# Altium PCB TinyPC.PcbDoc (part 1 of 2)
Units mm, origin at the board's own origin, x right, y up, seen from the top; angles counter-clockwise.
Board outline 65 x 27.9 mm, 6 copper layers (Top Layer, Mid-Layer 2, Mid-Layer 4, Int1 (GND), Int2 (PWR), Bottom Layer), stack 2.081 mm thick; 113 components, 114 nets, 577 pads, 293 vias.
Unrouted connection lines stored in the file: 437.
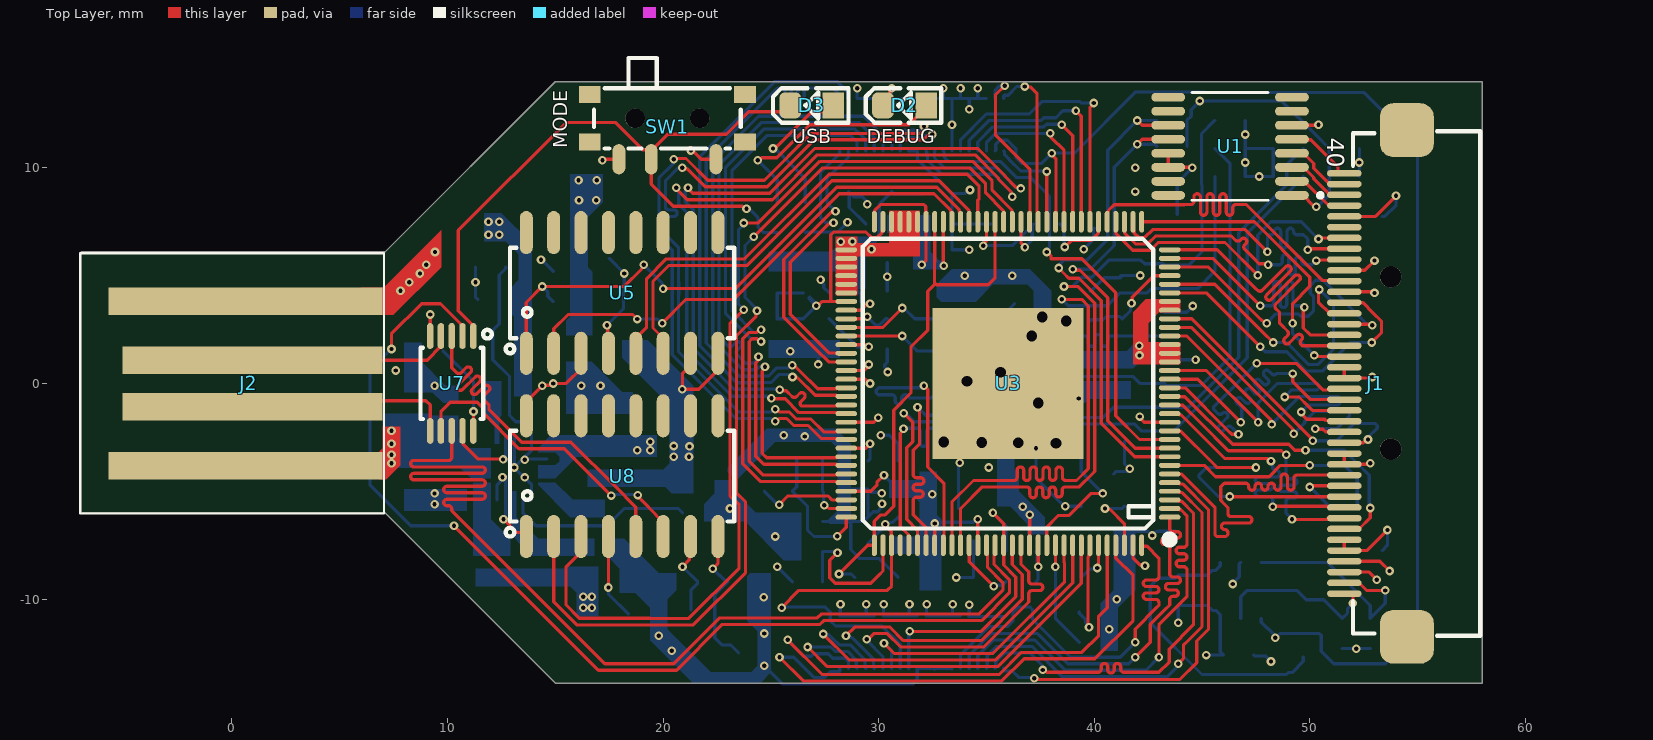
[diagram p0: Top Layer view]
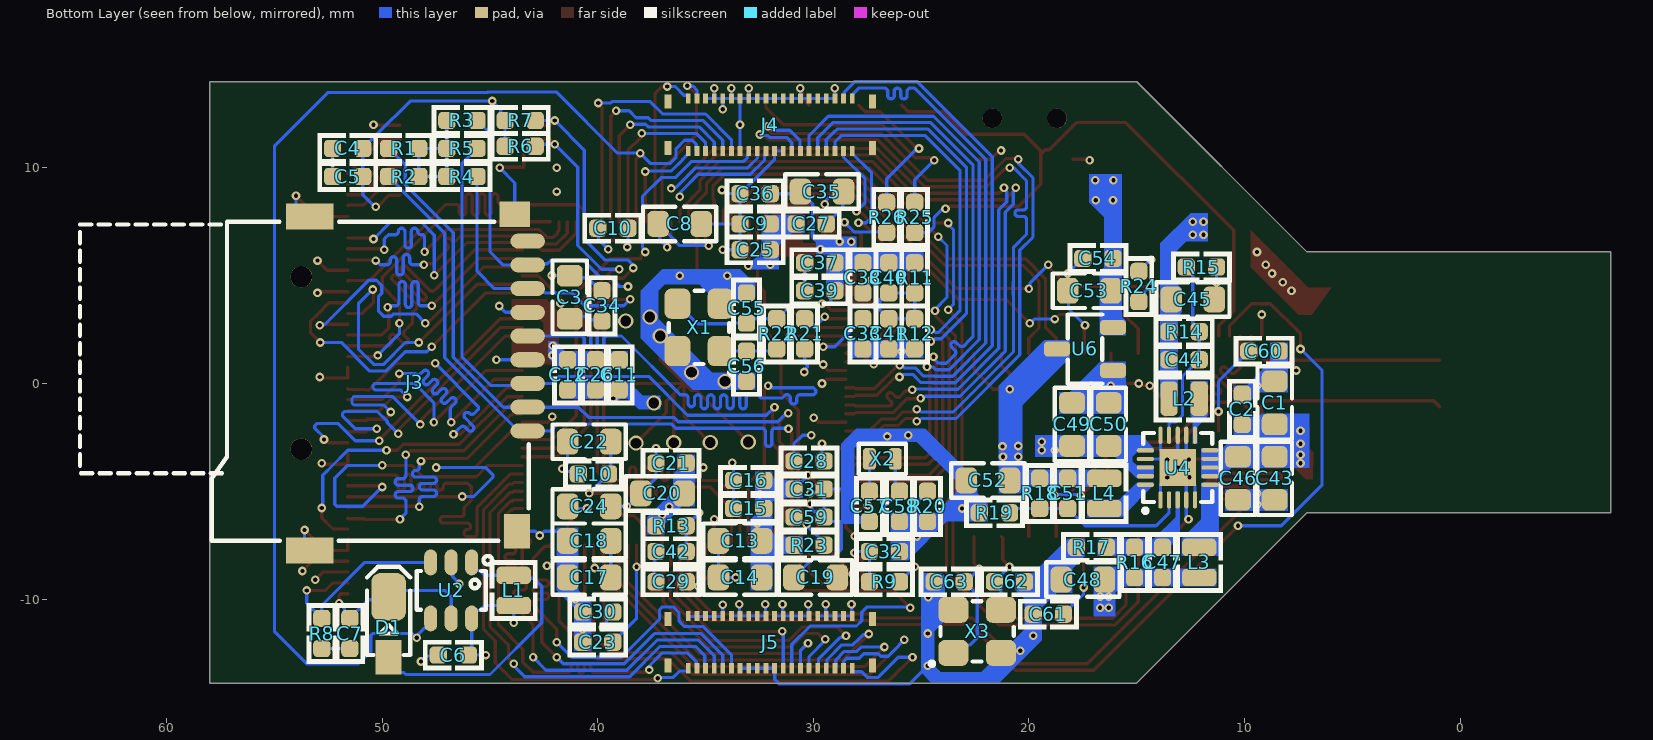
[diagram p1: Bottom Layer view, seen from below]
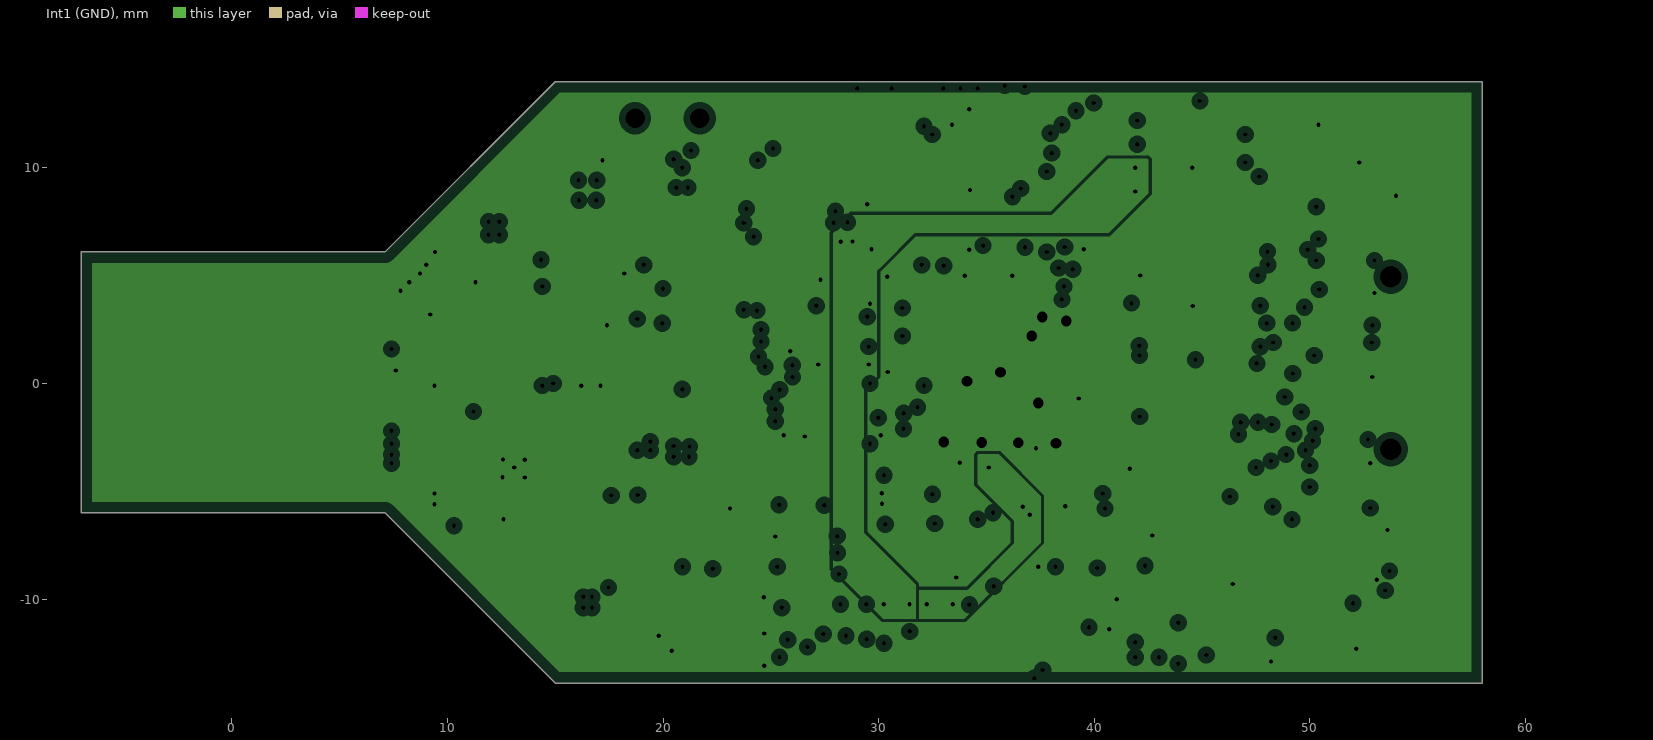
[diagram p2: Int1 (GND), clearances drawn from the general rule]
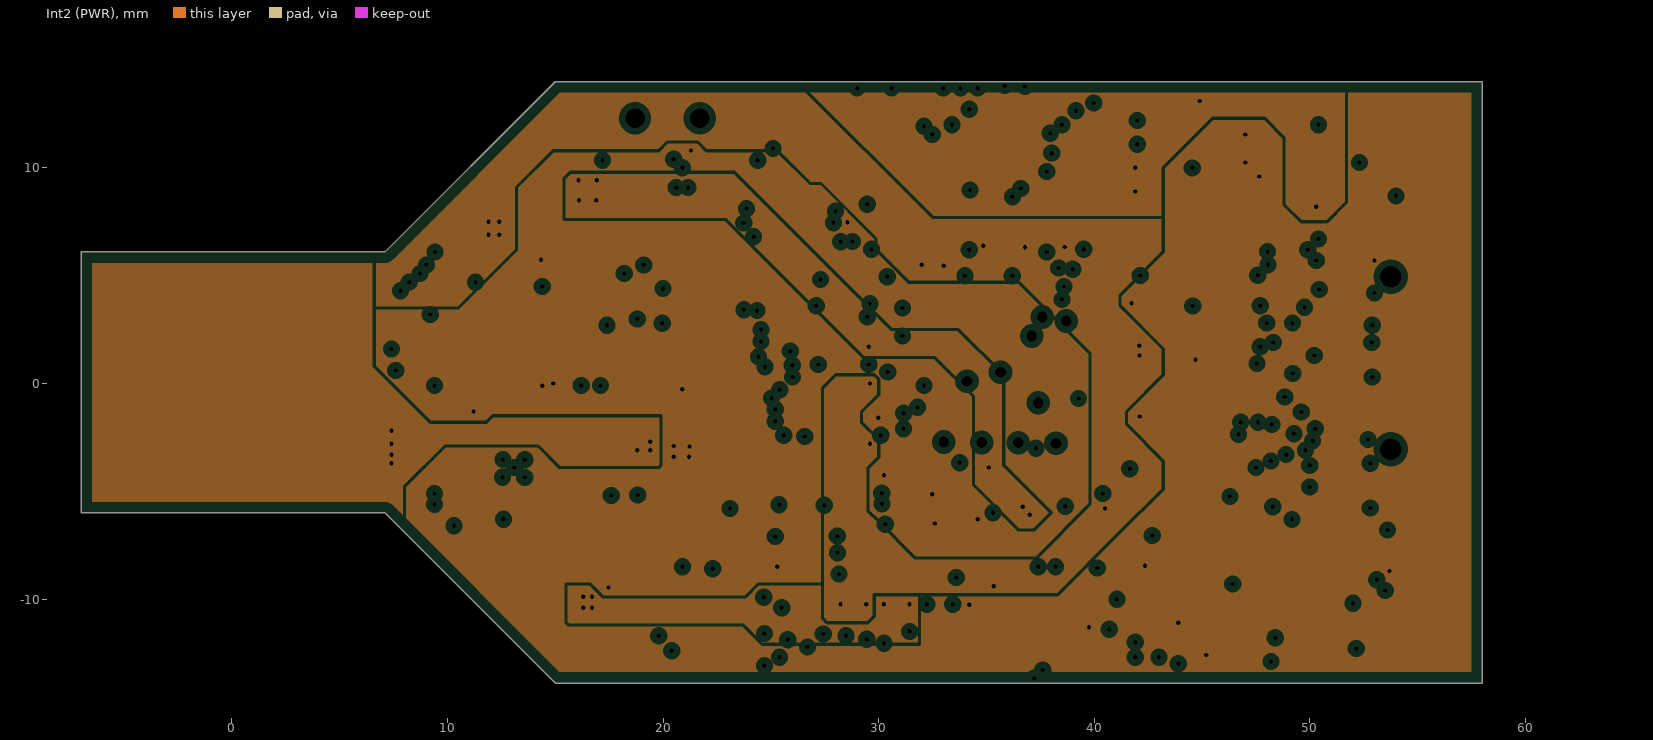
[diagram p3: Int2 (PWR), clearances drawn from the general rule]
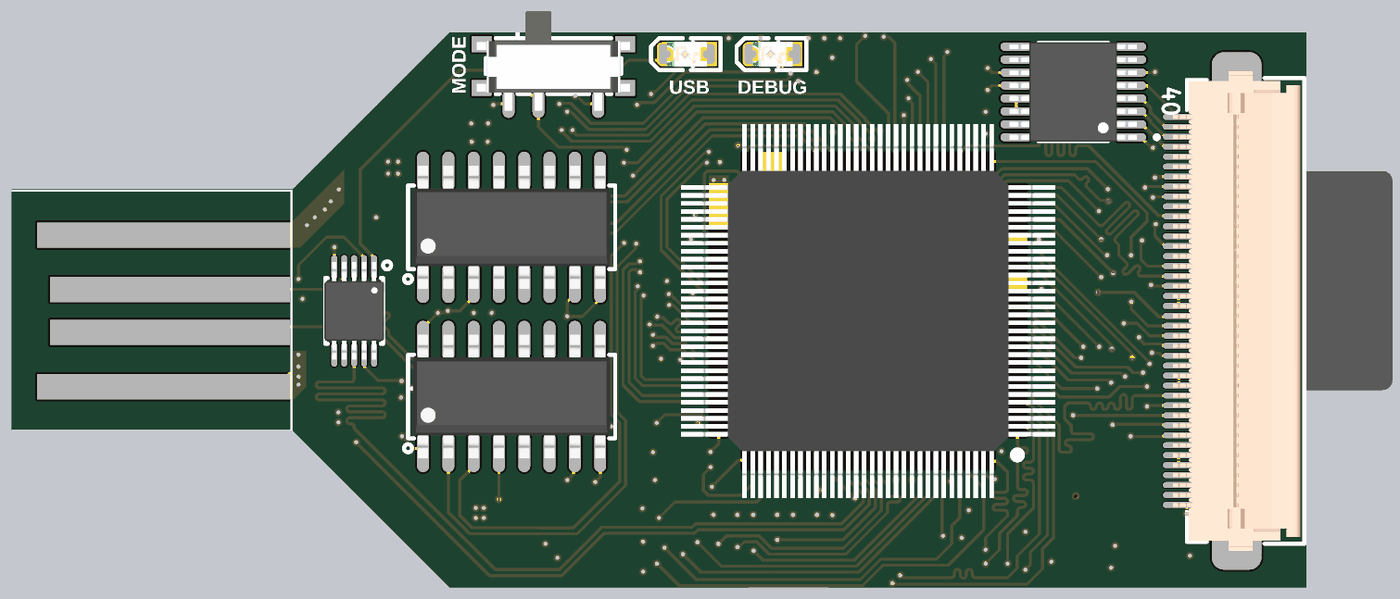
[diagram p5: 3D render of the assembled board from above, using the file's embedded part models]
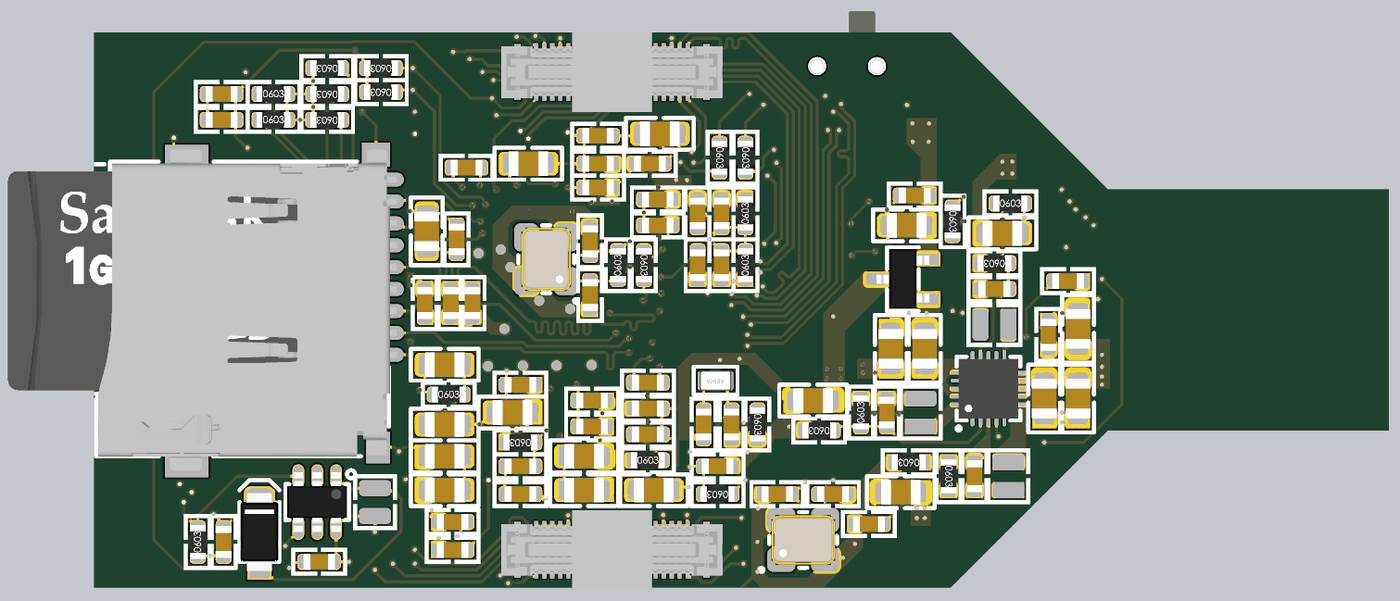
[diagram p6: 3D render of the assembled board from below, using the file's embedded part models]

## Layer stack, top to bottom
Top Solder: solder mask 0.0254, SM-001, Dk 4
Top Layer: signal copper 0.035
Dielectric 1: prepreg 0.1295, PP-017, Dk 4.3
Dielectric 2: prepreg 0.1295, PP-017, Dk 4.3
Mid-Layer 2: signal copper 0.0356
Dielectric6: dielectric 0.32, FR-4, Dk 4.8
Mid-Layer 4: signal copper 0.0356
Dielectric7: dielectric 0.32, FR-4, Dk 4.8
Int1 (GND): plane copper 0.035, net GND
Dielectric 3: core 0.7112, Core-039, Dk 4.8
Int2 (PWR): plane copper 0.035, net +3V3
Dielectric 4: prepreg 0.1295, PP-017, Dk 4.3
Dielectric 5: prepreg 0.1295, PP-017, Dk 4.3
Bottom Layer: signal copper 0.035
Bottom Solder: solder mask 0.0254, SM-001, Dk 4

## Board outline
-7,-6 7.1,-6 15,-13.9 58,-13.9 58,14 15,14 7.1,6.1 -7,6.1

## Design rules (kind name [scope] priority, off if disabled: settings)
Clearance [All] p1: gap=0.15 ignorepadtopadclearanceinfootprint=FALSE except(0.3: Via-Poly; 0.5: THPad-Poly)
DiffPairsRouting [All] p1: maxlimit=0.254 minlimit=0.15 mostfreqgap=0.15 toplayer_minwidth=0.15 toplayer_maxwidth=10 toplayer_prefwidth=0.15 midlayer2_minwidth=0.15 midlayer2_maxwidth=10 midlayer2_prefwidth=0.15 midlayer4_minwidth=0.15 midlayer4_maxwidth=10 midlayer4_prefwidth=0.15 bottomlayer_minwidth=0.15 bottomlayer_maxwidth=10 bottomlayer_prefwidth=0.15 maxuncoupledlength=12.7
HoleSize [All] p1: absolutevalues=TRUE maxlimit=10 minlimit=0.5 maxpercent=80.000 minpercent=20.000
HoleToHoleClearance [All] p1: gap=0.3 allowstackedmicrovias=TRUE
PlaneClearance [All] p1: clearance=0.3
PlaneConnect [All] p1: pad.planeconnectstyle=Relief pad.reliefexpansion=0.5 pad.reliefentries=4 pad.reliefconductorwidth=0.4 pad.reliefairgap=0.3 via.planeconnectstyle=Direct via.reliefexpansion=0.5 via.reliefentries=4 via.reliefconductorwidth=0.4 via.reliefairgap=0.3
PolygonConnect PolygonConnect_Via [All vs IsVia] p1: connectstyle=Direct reliefconductorwidth=0.254 reliefentries=4 polygonreliefangle="90 Angle" airgapwidth=0.254
PolygonConnect PolygonConnect_Pad [All] p2: connectstyle=Relief reliefconductorwidth=0.4 reliefentries=4 polygonreliefangle="90 Angle" airgapwidth=0.3
RoutingVias [All] p1: holewidth=0.2 width=0.4 viastyle="Through Hole" minholewidth=0.2 minwidth=0.4 maxholewidth=0.2 maxwidth=0.4
SolderMaskExpansion [All] p1: expansion=0.102 istentingtop=FALSE
Width [All] p1: maxlimit=10 minlimit=0.15 preferedwidth=0.15
25 further rules are at their usual default settings.

## Classes and differential pairs
component class POWER.SchDoc: C8 C9 C10 C11 C12 C13 C14 C15 C16 C17 C18 C19 C20 C21 C22 C23 C24 C25 C26 C27 C28 C29 C30 C31 C32 C33 C34 C35 C36 C37 C38 C39 C40 C41 C42 C43 C44 C45 C46 C47 C48 C49 C50 C51 C52 C53 C54 L2 L3 L4 R9 R10 R11 R12 R13 R14 R15 R16 R17 R18 R19 U4 U6
component class CPU.SchDoc: C55 C56 C57 C58 C59 C60 C61 C62 C63 D2 D3 R20 R21 R22 R23 R24 R25 R26 SW1 U3 U5 U7 U8 X1 X2 X3
component class Connector.SchDoc: C1 C2 C3 C4 C5 C6 C7 D1 J1 J2 J3 J4 J5 L1 R1 R2 R3 R4 R5 R6 R7 R8 U1 U2
differential pair USB_D: +USB_D_P -USB_D_N
differential pair USB2: +USB2_P -USB2_N
differential pair USB1: +USB1_P -USB1_N
differential pair MCSI-D1: +MCSI-D1_P -MCSI-D1_N
differential pair MCSI-D0: +MCSI-D0_P -MCSI-D0_N
differential pair MCSI-CK: +MCSI-CK_P -MCSI-CK_N
differential pair EPHY_TX: +EPHY_TX_P -EPHY_TX_N
differential pair EPHY_RX: +EPHY_RX_P -EPHY_RX_N

## Components (designator, comment, footprint, x,y, rotation, side; value= is the part's Value field where it differs from the comment)
C1 "10uF" C0805 8.6,-0.9 r270 bottom
C2 "100nF" C0603 10.1,-1.2 r270 bottom
C3 "10uF" C0805 41.3,4 r270 bottom
C4 "100nF" C0603 51.6,10.9 r180 bottom
C5 "1uF" C0603 51.6,9.6 r180 bottom
C6 "1uF" C0603 46.7,-12.6 r180 bottom
C7 "1uF" C0603 51.5,-11.6 r90 bottom
C8 "10uF" C0805 36.2,7.4 r180 bottom
C9 "1uF" C0603 32.7,7.4 r0 bottom
C10 "1uF" C0603 39.3,7.2 r0 bottom
C11 "100nF" C0603 39,0.4 r270 bottom
C12 "100nF" C0603 41.4,0.4 r270 bottom
C13 "10uF" C0805 33.4,-7.3 r0 bottom
C14 "10uF" C0805 33.4,-9 r0 bottom
C15 "100nF" C0603 33,-5.8 r0 bottom
C16 "100nF" C0603 33,-4.5 r0 bottom
C17 "10uF" C0805 40.4,-9 r0 bottom
C18 "100nF" C0805 40.4,-7.3 r0 bottom
C19 "10uF" C0805 29.899,-9 r0 bottom
C20 "10uF" C0805 37,-5.1 r0 bottom
C21 "100nF" C0603 36.6,-3.7 r0 bottom
C22 "10uF" C0805 40.4,-2.7 r0 bottom
C23 "1uF" C0603 40,-12 r0 bottom
C24 "10uF" C0805 40.4,-5.7 r180 bottom
C25 "1uF" C0603 32.7,6.2 r0 bottom
C26 "1uF" C0603 40.1,0.4 r270 bottom
C27 "100nF" C0603 30.1,7.4 r180 bottom
C28 "100nF" C0603 30.2,-3.6 r0 bottom
C29 "100nF" C0603 36.6,-9.2 r0 bottom
C30 "100nF" C0603 40,-10.6 r0 bottom
C31 "100nF" C0603 30.2,-4.9 r180 bottom
C32 "100nF" C0603 26.7,-7.8 r180 bottom
C33 "100nF" C0603 27.7,2.3 r270 bottom
C34 "100nF" C0603 39.8,3.6 r90 bottom
C35 "10uF" C0805 29.6,8.9 r180 bottom
C36 "1uF" C0603 32.7,8.8 r0 bottom
C37 "1uF" C0603 29.7,5.6 r0 bottom
C38 "100nF" C0603 27.7,4.9 r270 bottom
C39 "100nF" C0603 29.7,4.3 r0 bottom
C40 "100nF" C0603 26.5,4.9 r270 bottom
C41 "100nF" C0603 26.5,2.3 r270 bottom
C42 "1nF" C0603 36.6,-7.8 r0 bottom
C43 "10uF" C0805 8.6,-4.4 r270 bottom
C44 "18pF" C0603 12.8,1.1 r180 bottom
C45 "10uF" C0805 12.4,3.9 r180 bottom
C46 "10uF" C0805 10.3,-4.4 r270 bottom
C47 "18pF" C0603 13.8,-8.3 r90 bottom
C48 "10uF" C0805 17.5,-9.1 r0 bottom
C49 "10uF" C0805 18,-1.9 r90 bottom
C50 "10uF" C0805 16.3,-1.9 r90 bottom
C51 "18pF" C0603 18.2,-5.1 r270 bottom
C52 "10uF" C0805 21.9,-4.5 r0 bottom
C53 "10uF" C0805 17.2,4.3 r0 bottom
C54 "100nF" C0603 16.8,5.8 r0 bottom
C55 "18pF" C0603 33.1,3.5 r270 bottom
C56 "18pF" C0603 33.1,0.8 r90 bottom
C57 "18pF" C0603 27.4,-5.7 r90 bottom
C58 "18pF" C0603 26,-5.7 r90 bottom
C59 "1uF" C0603 30.2,-6.2 r0 bottom
C60 "100nF" C0603 9.1,1.5 r0 bottom
C61 "100nF" C0603 19.1,-10.7 r180 bottom
C62 "22pF" C0603 20.9,-9.2 r180 bottom
C63 "22pF" C0603 23.7,-9.2 r0 bottom
D1 "B0530W-7-F" D_SOD123W 49.7,-11.1 r90 bottom
D2 "LED805BLU" LED0805BLU 31.2,12.9 r180 top locked
D3 "LED805BLU" LED0805BLU 26.9,12.9 r180 top locked
J1 "FPC50_40" FPC50_40 51.6,0 r270 top locked
J2 "USB_Plug" USB_PCB 0,0 r90 top locked
J3 "SD_MICRO" SDMICRO_AT 48.5,0 r90 bottom locked
J4 "B2B_40P_F" B2B_40P_F 32,12 r180 bottom locked
J5 "B2B_40P_F" B2B_40P_F 32,-12 r180 bottom locked
L1 "22uH" L0606 43.9,-9.6 r90 bottom
L2 "2.2uH" L0606 12.8,-0.7 r0 bottom
L3 "2.2uH" L0606 12.1,-8.3 r270 bottom
L4 "2.2uH" L0606 16.5,-5.1 r90 bottom
R1 "47K" R0603 49,10.9 r180 bottom
R2 "47K" R0603 49,9.6 r180 bottom
R3 "47K" R0603 46.3,12.2 r0 bottom
R4 "47K" R0603 46.3,9.6 r0 bottom
R5 "47K" R0603 46.3,10.9 r0 bottom
R6 "1.2K" R0603 43.6,11 r0 bottom
R7 "1.2K" R0603 43.6,12.2 r0 bottom
R8 "5R1-1%" R0603 52.8,-11.6 r90 bottom
R9 "0R" R0603 26.7,-9.2 r0 bottom
R10 "200K - 1%" R0603 40.2,-4.2 r180 bottom
R11 "2K - 1%" R0603 25.3,4.9 r90 bottom
R12 "2K - 1%" R0603 25.3,2.3 r90 bottom
R13 "100K-1%" R0603 36.6,-6.6 r0 bottom
R14 "150K - 1%" R0603 12.8,2.4 r0 bottom
R15 "150K - 1%" R0603 12,5.4 r180 bottom
R16 "200K - 1%" R0603 15.1,-8.3 r270 bottom
R17 "100K - 1%" R0603 17.1,-7.6 r0 bottom
R18 "680K - 1%" R0603 19.5,-5.1 r90 bottom
R19 "150K - 1%" R0603 21.6,-6 r0 bottom
R20 "6K-1%" R0603 24.7,-5.7 r270 bottom
R21 "240R-1%" R0603 30.4,2.3 r270 bottom
R22 "10M" R0603 31.7,2.3 r90 bottom
R23 "47K" R0603 30.2,-7.5 r180 bottom
R24 "10K" R0603 14.9,4.5 r270 bottom
R25 "1K" R0603 25.3,7.7 r270 bottom
R26 "1K" R0603 26.6,7.7 r270 bottom
SW1 "SlideSwitch" SWSLIDT_SPDT_MSS3 20.2,12.3 r0 top locked
U1 "TSC2007IPW" SOP65P640X120-16N 46.3,11 r180 top
U2 "AP5724" SOT23_6 46.8,-9.6 r270 bottom
U3 "Allwinner V3s" ALLWINNERV3S 36,0 r180 top locked
U4 "EA3036C" QFN40_20T 13.1,-3.9 r90 bottom
U5 "M95512" SO_16 18.1,4.2 r90 top locked
U6 "XC6206" SOT23_3 17.4,1.6 r0 bottom
U7 "TS3USB30E" VSSOP-10PIN 10.2,0 r270 top locked
U8 "CH340G" SO_16 18.1,-4.3 r90 top locked
X1 "24MHz" XTL_4_3225 35.3,2.6 r0 bottom
X2 "XTL_32.768KHz" XTL_2_1610 26.8,-3.5 r0 bottom
X3 "12MHz" XTL_4_3225 22.4,-11.5 r90 bottom

## Footprints (in the part's own frame and the unit in brackets; to place one, negate y for a bottom-side part, rotate by r counter-clockwise, add the part's x,y. Pads: shape width x height; smd on the part's side, far side on the other; paste and mask are expansions set on the pad)
ALLWINNERV3S [mm] "CQFP, 128-Leads, Body 18.70x18.70mm, Pitch 0.40mm, IPC Medium Density"
  oval 1x0.23 smd: 1(-7.5,6.2) 2(-7.5,5.8) 3(-7.5,5.4) 4(-7.5,5) 5(-7.5,4.6) 6(-7.5,4.2) 7(-7.5,3.8) 8(-7.5,3.4) 9(-7.5,3) 10(-7.5,2.6) 11(-7.5,2.2) 12(-7.5,1.8) 13(-7.5,1.4) 14(-7.5,1) 15(-7.5,0.6) 16(-7.5,0.2) 17(-7.5,-0.2) 18(-7.5,-0.6) 19(-7.5,-1) 20(-7.5,-1.4) 21(-7.5,-1.8) 22(-7.5,-2.2) 23(-7.5,-2.6) 24(-7.5,-3) 25(-7.5,-3.4) 26(-7.5,-3.8) 27(-7.5,-4.2) 28(-7.5,-4.6) 29(-7.5,-5) 30(-7.5,-5.4) 31(-7.5,-5.8) 32(-7.5,-6.2) 65(7.5,-6.2) 66(7.5,-5.8) 67(7.5,-5.4) 68(7.5,-5) 69(7.5,-4.6) 70(7.5,-4.2) 71(7.5,-3.8) 72(7.5,-3.4) 73(7.5,-3) 74(7.5,-2.6) 75(7.5,-2.2) 76(7.5,-1.8) 77(7.5,-1.4) 78(7.5,-1) 79(7.5,-0.6) 80(7.5,-0.2) 81(7.5,0.2) 82(7.5,0.6) 83(7.5,1) 84(7.5,1.4) 85(7.5,1.8) 86(7.5,2.2) 87(7.5,2.6) 88(7.5,3) 89(7.5,3.4) 90(7.5,3.8) 91(7.5,4.2) 92(7.5,4.6) 93(7.5,5) 94(7.5,5.4) 95(7.5,5.8) 96(7.5,6.2)
  oval 0.23x1 smd: 33(-6.2,-7.5) 34(-5.8,-7.5) 35(-5.4,-7.5) 36(-5,-7.5) 37(-4.6,-7.5) 38(-4.2,-7.5) 39(-3.8,-7.5) 40(-3.4,-7.5) 41(-3,-7.5) 42(-2.6,-7.5) 43(-2.2,-7.5) 44(-1.8,-7.5) 45(-1.4,-7.5) 46(-1,-7.5) 47(-0.6,-7.5) 48(-0.2,-7.5) 49(0.2,-7.5) 50(0.6,-7.5) 51(1,-7.5) 52(1.4,-7.5) 53(1.8,-7.5) 54(2.2,-7.5) 55(2.6,-7.5) 56(3,-7.5) 57(3.4,-7.5) 58(3.8,-7.5) 59(4.2,-7.5) 60(4.6,-7.5) 61(5,-7.5) 62(5.4,-7.5) 63(5.8,-7.5) 64(6.2,-7.5) 97(6.2,7.5) 98(5.8,7.5) 99(5.4,7.5) 100(5,7.5) 101(4.6,7.5) 102(4.2,7.5) 103(3.8,7.5) 104(3.4,7.5) 105(3,7.5) 106(2.6,7.5) 107(2.2,7.5) 108(1.8,7.5) 109(1.4,7.5) 110(1,7.5) 111(0.6,7.5) 112(0.2,7.5) 113(-0.2,7.5) 114(-0.6,7.5) 115(-1,7.5) 116(-1.4,7.5) 117(-1.8,7.5) 118(-2.2,7.5) 119(-2.6,7.5) 120(-3,7.5) 121(-3.4,7.5) 122(-3.8,7.5) 123(-4.2,7.5) 124(-4.6,7.5) 125(-5,7.5) 126(-5.4,7.5) 127(-5.8,7.5) 128(-6.2,7.5)
  rect 7x7 smd: 129(0,0)
  silkscreen extent -7.62,-6.72 6.73,7.37, body extent -9.4,-9.4 9.4,9.4, height 1.55
B2B_40P_F [mm] "SlimStack Board-to-Board Receptacle, 0.40mm Pitch, Surface Mount, Dual Row, Vertical, 1.00mm Stacking Height, with Solder Tabs, with Vacuum Tape, 40 Circuits"
  rect 0.22x0.475 smd mask+0.07: 1(-3.8,-1.212) 2(-3.4,-1.212) 3(-3,-1.212) 4(-2.6,-1.212) 5(-2.2,-1.212) 6(-1.8,-1.212) 7(-1.4,-1.212) 8(-1,-1.212) 9(-0.6,-1.212) 10(-0.2,-1.212) 11(0.2,-1.212) 12(0.6,-1.212) 13(1,-1.212) 14(1.4,-1.212) 15(1.8,-1.212) 16(2.2,-1.212) 17(2.6,-1.212) 18(3,-1.212) 19(3.4,-1.212) 20(3.8,-1.212) 21(-3.8,1.212) 22(-3.4,1.212) 23(-3,1.212) 24(-2.6,1.212) 25(-2.2,1.212) 26(-1.8,1.212) 27(-1.4,1.212) 28(-1,1.212) 29(-0.6,1.212) 30(-0.2,1.212) 31(0.2,1.212) 32(0.6,1.212) 33(1,1.212) 34(1.4,1.212) 35(1.8,1.212) 36(2.2,1.212) 37(2.6,1.212) 38(3,1.212) 39(3.4,1.212) 40(3.8,1.212)
  rect 0.32x0.65 smd mask+0.07: ""(-4.75,-1.085) ""(-4.75,1.085) ""(4.75,-1.085) ""(4.75,1.085)
  body extent -5.55,-2 5.55,2, height 0.99
C0603 [mm] "CHIP Capacitor, 1.6X0.8mm, 0603 OPTIMIZED"
  rrect50% 0.8x0.8 smd paste-5 mask+0.075: 1(-0.7,0) 2(0.7,0)
  Top Layer pour cut-out: -0.5,0.4 0.5,0.4 0.5,-0.4 -0.5,-0.4
  silkscreen extent -1.4,-0.7 1.4,0.7, body extent -0.8,-0.4 0.8,0.4, height 0.9
C0805 [mm] "CHIP Capacitor, 2.0X1.3mm, 0805"
  rrect50% 1x1.2 smd paste-5 mask+0.075: 1(-1,0) 2(1,0)
  Top Layer pour cut-out: -0.5,0.8 0.5,0.8 0.5,-0.8 -0.5,-0.8
  silkscreen extent -1.7,-0.8 1.7,0.8, body extent -1,-0.63 1,0.62, height 1
D_SOD123W [mm] "PowerDI-123, SOD123, DO-213AA, 1206D"
  rect 1.6x1.2 smd paste-0.1 mask+0.1: 1(-1.6,0)
  rrect50% 2.2x1.6 smd paste-0.1 mask+0.1: 2(1.2,0)
  Top Layer pour cut-out: -1.016,1.1 -1.016,-1.1 1.016,-1.1 1.016,1.1
  silkscreen extent -1.5,-1 2.6,1, body extent -1.95,-0.97 1.95,0.96, height 1
FPC50_40 [mm] "FPC, pitch: 0.5mm, FH12-40S-0.5SH, molex 54132-4062"
  oval 0.3x1.6 smd mask+0.05: 1(9.75,0) 2(9.25,0) 3(8.75,0) 4(8.25,0) 5(7.75,0) 6(7.25,0) 7(6.75,0) 8(6.25,0) 9(5.75,0) 10(5.25,0) 11(4.75,0) 12(4.25,0) 13(3.75,0) 14(3.25,0) 15(2.75,0) 16(2.25,0) 17(1.75,0) 18(1.25,0) 19(0.75,0) 20(0.25,0) 21(-0.25,0) 22(-0.75,0) 23(-1.25,0) 24(-1.75,0) 25(-2.25,0) 26(-2.75,0) 27(-3.25,0) 28(-3.75,0) 29(-4.25,0) 30(-4.75,0) 31(-5.25,0) 32(-5.75,0) 33(-6.25,0) 34(-6.75,0) 35(-7.25,0) 36(-7.75,0) 37(-8.25,0) 38(-8.75,0) 39(-9.25,0) 40(-9.75,0)
  rrect50% 2.5x2.5 smd: ""(-11.75,2.9) ""(11.75,2.9)
  silkscreen extent -11.7,0.4 11.7,6.3, body extent -12.05,-0.3 12.05,6.1, height 2.09
L0606 [mm] "INDUCTOR, FERRITE BEAD, 0603, 1.6X1.6mm"
  rrect50% 0.8x1.6 smd mask+0.05: 1(-0.7,0) 2(0.7,0)
  silkscreen extent -1.4,-1.1 1.4,1.1, body extent -0.8,-0.8 0.8,0.8, height 1
LED0805BLU [mm] "LED SMD 0805, BLUE"
  rect 1x1.2 smd paste-2 mask+0.075: 1(-1,0)
  rrect50% 1x1.2 smd paste-2 mask+0.075: 2(1,0)
  Top Layer pour cut-out: -0.5,0.8 0.5,0.8 0.5,-0.8 -0.5,-0.8
  silkscreen extent -1.7,-0.8 1.8,0.8, body extent -1,-0.63 1,0.63, height 0.7
QFN40_20T [mm] "QFN, RUK, PWQFN, 20-Leads, Body 3X3mm, Pitch 0.40mm"
  oval 0.8x0.2 smd mask+0.05: 1(-1.5,0.8) 2(-1.5,0.4) 3(-1.5,0) 4(-1.5,-0.4) 5(-1.5,-0.8) 11(1.5,-0.8) 12(1.5,-0.4) 13(1.5,0) 14(1.5,0.4) 15(1.5,0.8)
  oval 0.2x0.8 smd mask+0.05: 6(-0.8,-1.5) 7(-0.4,-1.5) 8(0,-1.5) 9(0.4,-1.5) 10(0.8,-1.5) 16(0.8,1.5) 17(0.4,1.5) 18(0,1.5) 19(-0.4,1.5) 20(-0.8,1.5)
  rect 1.7x1.7 smd paste-3 mask+0.075: 21(0,0)
  silkscreen extent -2.1,-1.6 1.6,1.6, body extent -1.51,-1.51 1.51,1.51, height 0.6
R0603 [mm] "CHIP Resistor 1/10 WATT, 1.6x0.8mm, 0603, OPTIMIZED"
  rrect50% 0.8x0.8 smd paste-5 mask+0.075: 1(-0.7,0) 2(0.7,0)
  Top Layer pour cut-out: -0.5,0.4 0.5,0.4 0.5,-0.4 -0.5,-0.4
  silkscreen extent -1.4,-0.7 1.4,0.7, body extent -0.85,-0.4 0.85,0.4, height 0.56